# Altium PCB 6502_CPU_MainBoard_PCB_V1_2.PcbDoc (part 5 of 5)
Units mil, origin at the board's own origin, x right, y up, seen from the top; angles counter-clockwise.
Board outline 9000 x 6000 mil, 4 copper layers (Top Layer, Plane(GND), Plane(Power), Bottom Layer), stack 23.756 mil thick; 386 components, 378 nets, 1499 pads, 666 vias.
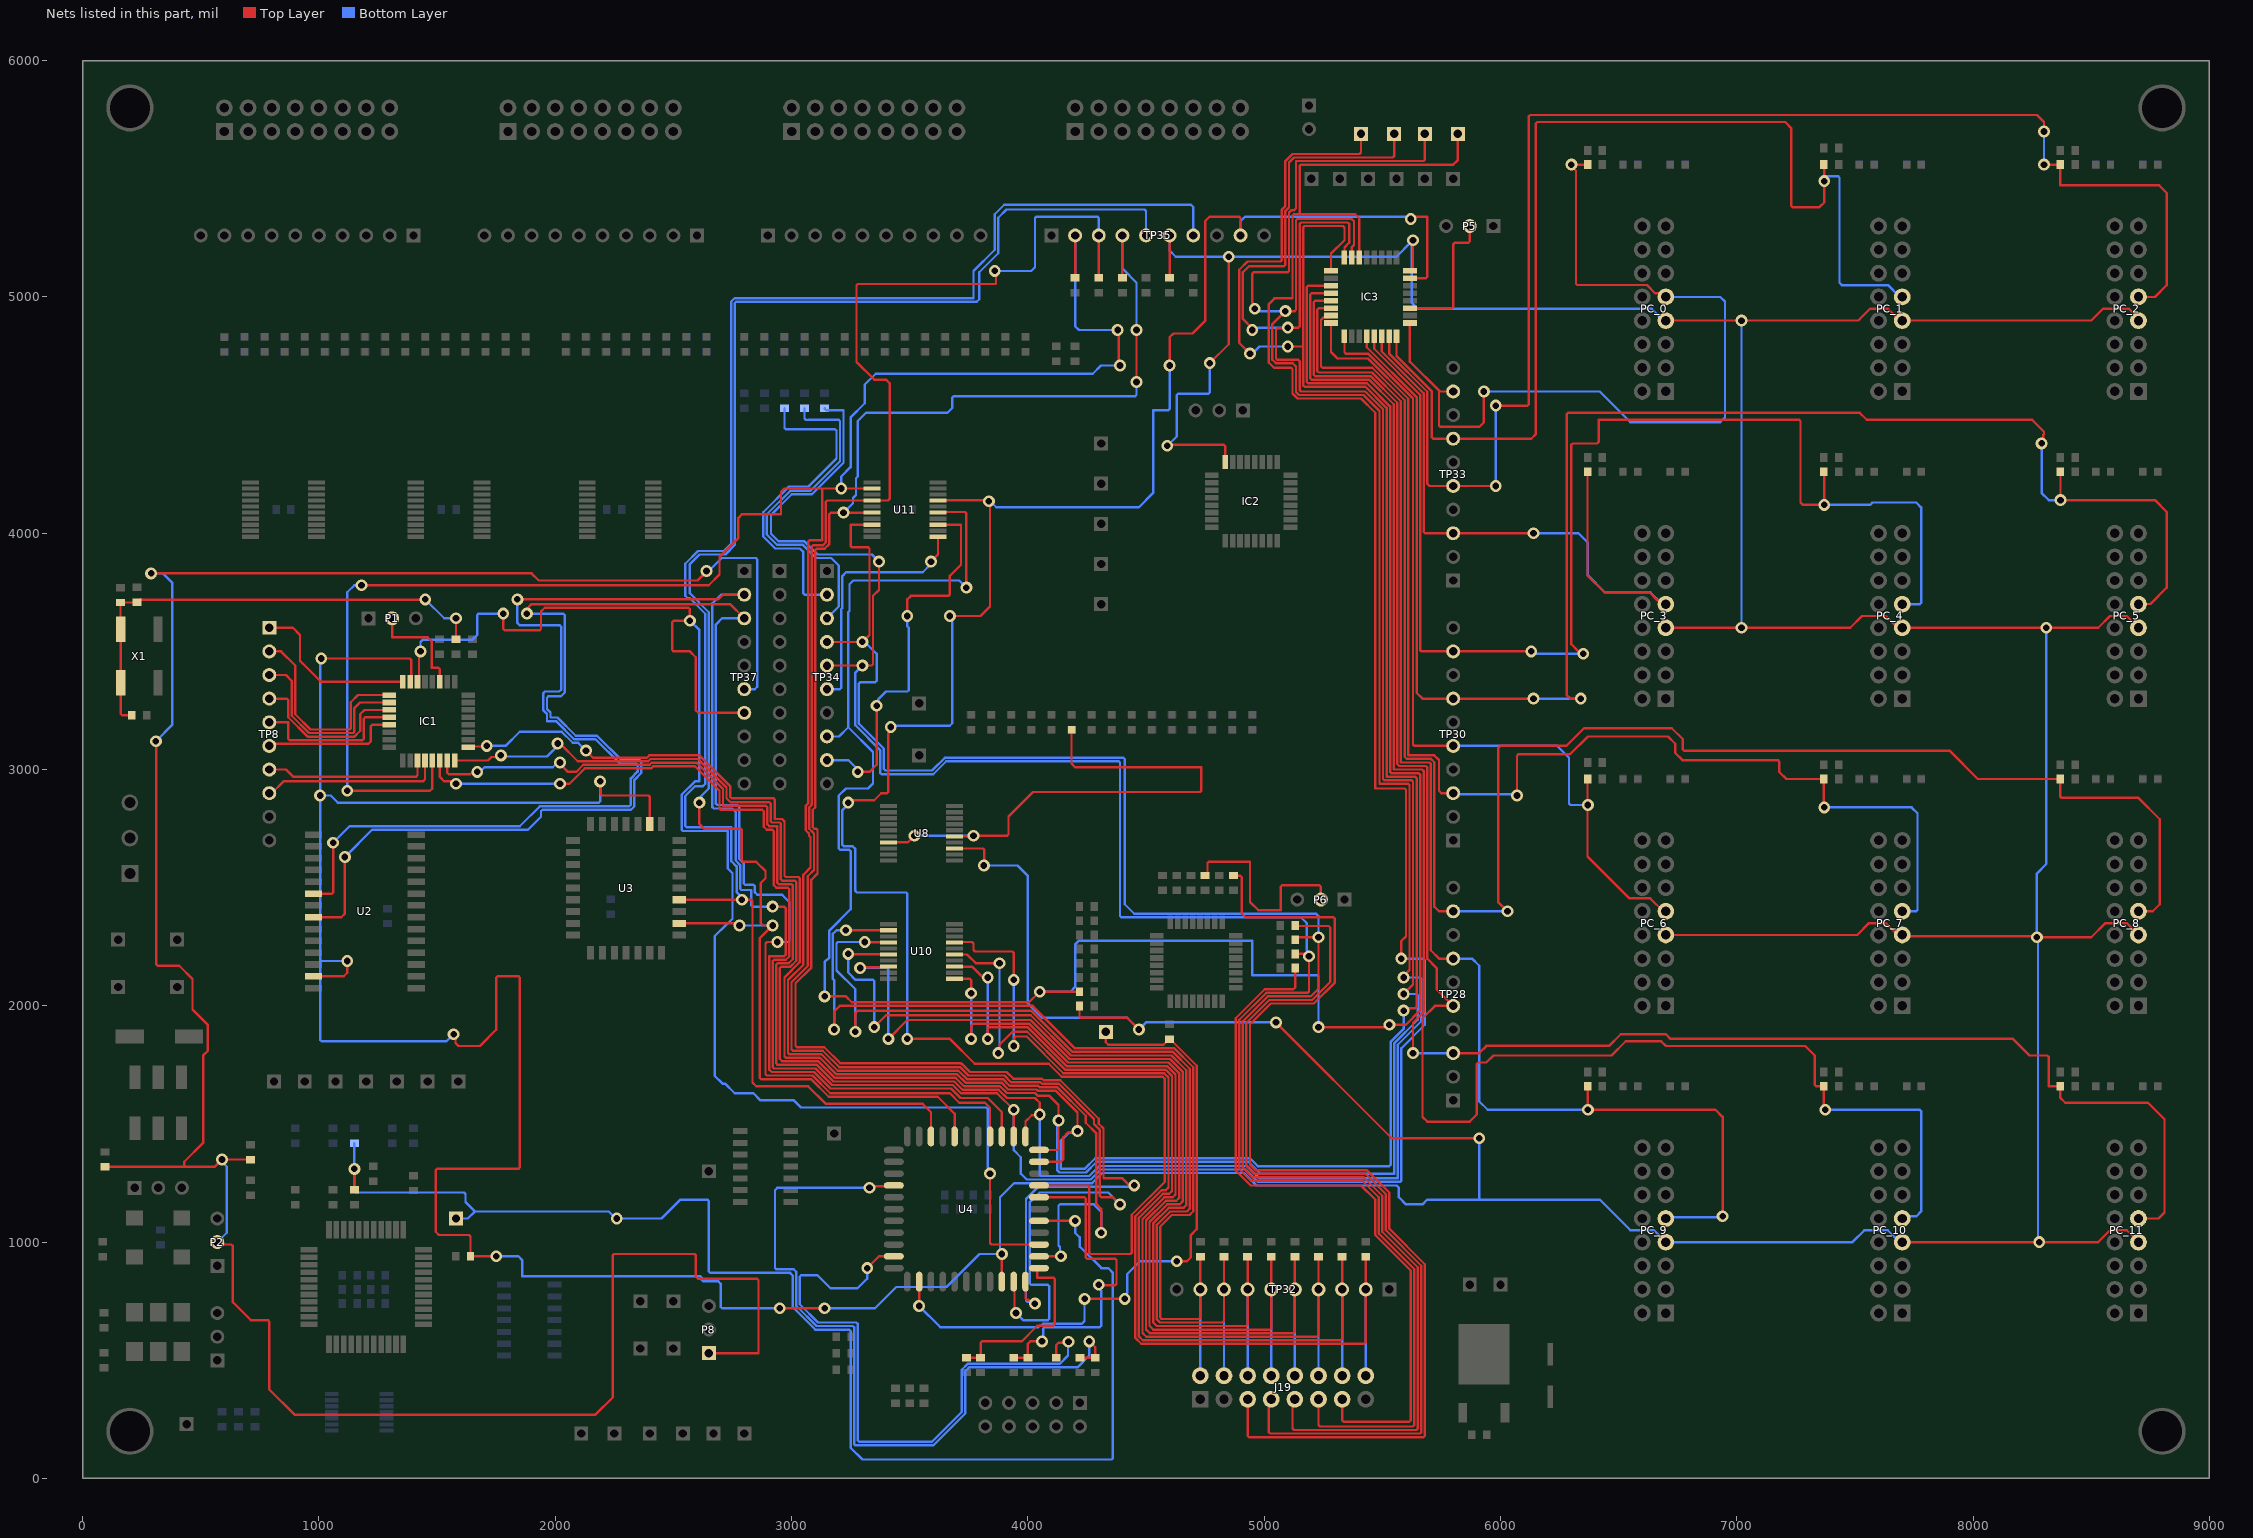
[diagram p7: the nets of this part, all layers, seen from the top]

## Via types
v1: diameter 50, hole 28, Top Layer to Bottom Layer, 666 vias

## Nets (pads, with @x,y where several pads share a name; then routed paths per layer and width w, separated by ;. In a path a pad name is that pad's centre, name@x,y a point inside that pad or via, vN(x,y) a via of type N, cw(c..) or ccw(c..) an arc to the next point about the centre after c; other vN are vias at no path point) (continued)
PageRegister_CS: IC1.30 TP37.7 U4.9 | length 6560.4
  Top Layer w10: IC1.30@1417.24,3371.85 1423.62,3378.23 1423.62,3493.62 v1(1430,3500) ; v1(1780,3660) 1780,3595.86 1785.86,3590 1934.14,3590 1940,3595.86 1940,3669.14 1955.86,3685 2564.14,3685 2570,3679.14 v1(2570,3630) 2500.86,3630 2495,3624.14 2495,3505.86 2500.86,3500 2570,3500 2595,3475 2595,3250 2605,3240 TP37.7@2800,3240 ; v1@3850,1280 3850,1290 v1(3840,1290) 3840,995.86 3845.86,990 U4.9@4047.2,990
  Bottom Layer w10: v1(1430,3500) 1430,3540 1440,3550 1650,3550 1670,3570 1670,3654.14 1675.86,3660 v1(1780,3660) ; v1(2570,3630) 2610,3590 2610,2950 2591.21,2950 2535,2893.79 2535,2745.86 2540.86,2740 2730,2740 2730,2581.21 2750,2561.21 2750,2368.79 2703.79,2322.57 2702.22,2322.57 2675,2295.36 2675,1703.79 2707.75,1671.04 2718.96,1671.04 2760,1630 2838.79,1630 2868.79,1600 3010,1600 3040,1570 3824.14,1570 3830,1564.14 3830,1315.86 v1@3832.35,1313.51
PC0: IC3.25 PC_0.9 R134.1 TP33.9 | length 3689.3
  Top Layer w10: IC3.25@5616.85,4889.76 5616.85,4726.08 5741.46,4601.46 ; TP33.9@5800,4600 5740,4600 5740,4455.86 5745.86,4450 5910,4450 5930,4470 v1(5930,4600) ; R134.1@6368.5,5560 v1(6300,5560) 6300,5553.9 6319.75,5534.14 6319.75,5056.1 6325.61,5050.25 6619.75,5050.25 6654.34,5015.66 6667.87,5015.66 6683.53,5000 PC_0.9@6700,5000
  Bottom Layer w10: v1(5930,4600) 6420,4600 6550,4470 6930,4470 6950,4490 6950,4980 6930,5000 PC_0.9@6700,5000
PC1: IC3.24 PC_1.9 R133.1 TP33.7 | length 4805.4
  Top Layer w10: IC3.24@5560.24,4833.15 5560.24,4749.76 5710,4600 5710,4405.86 5715.86,4400 TP33.7@5800,4400 6130,4400 6150,4420 6150,5734.14 6155.86,5740 7205,5740 7230,5715 7230,5385.86 7235.86,5380 7350,5380 7370,5400 v1(7370,5490) 7370,5558.5 R133.1@7368.5,5560
  Bottom Layer w10: v1(7370,5490) 7375.86,5495.86 7375.86,5510 7429.14,5510 7435,5504.14 7435,5060 7445,5050 7640,5050 7690,5000 PC_1.9@7700,5000
PC2: IC3.23 PC_2.9 R132.1 TP33.5 | length 6211.2
  Top Layer w10: IC3.23@5528.74,4833.15 5528.74,4760.05 5690,4598.79 5690,4210 5700,4200 TP33.5@5800,4200 v1(5980,4200) ; v1(5980,4540) 6114.14,4540 6120,4545.86 6120,5764.14 6125.86,5770 8270,5770 8300,5740 v1(8300,5700) ; v1(8300,5560) R132.1@8368.5,5560 8368.5,5472.71 8787.29,5472.71 8820,5440 8820,5050 8770,5000 PC_2.9@8700,5000
  Bottom Layer w10: v1(5980,4200) v1(5980,4540) ; v1(8300,5560) v1(8300,5700)
PC3: IC3.22 PC_3.9 R131.1 TP33.3 | length 2954.2
  Top Layer w10: IC3.22@5497.24,4833.15 5497.24,4770.33 5675,4592.57 5675,4005.86 5680.86,4000 v1(6140,4000) ; R131.1@6368.5,4260 6368.5,3821.5 6440,3750 6630,3750 6664.34,3715.66 6667.87,3715.66 6683.53,3700 PC_3.9@6700,3700
  Bottom Layer w10: v1(6140,4000) 6330,4000 6370,3960 6370,3821.21 6441.21,3750 6633.53,3750 6683.53,3700 PC_3.9@6700,3700
PC4: IC3.21 PC_4.9 R130.1 TP30.9 | length 5586.4
  Top Layer w10: IC3.21@5465.75,4833.15 5465.75,4780.61 5660,4586.36 5660,3505.86 5665.86,3500 TP30.9@5800,3500 v1(6130,3500) ; v1(6350,3490) 6350,3494.14 6344.14,3500 6330,3500 6300,3530 6300,4374.14 6305.86,4380 6409.42,4380 6415.28,4385.86 6415.28,4480 7264.14,4480 7270,4474.14 7270,4130 7280,4120 v1(7370,4120) 7370,4258.5 R130.1@7368.5,4260
  Bottom Layer w10: v1(6130,3500) 6140,3490 v1(6350,3490) ; v1(7370,4120) 7565.06,4120 7575.06,4130 7759.29,4130 7780,4109.29 7780,3705.86 7774.14,3700 PC_4.9@7700,3700
PC5: IC3.20 PC_5.9 R129.1 TP30.7 | length 7028.3
  Top Layer w10: IC3.20@5434.25,4833.15 5434.25,4786.96 5645,4576.21 5645,3325 5670,3300 TP30.7@5800,3300 v1(6140,3300) ; v1(6340,3300) 6295.86,3300 6280,3315.86 6280,4504.14 6285.86,4510 7520,4510 7550,4480 8250,4480 8300.25,4429.75 8300.25,4419.75 8297.65,4417.15 8297.65,4387.65 v1(8290,4380) ; R129.1@8368.5,4260 8370,4258.5 v1(8370,4140) 8770,4140 8820,4090 8820,3770 8750.43,3700.43 8700.43,3700.43 PC_5.9@8700,3700
  Bottom Layer w10: v1(6140,3300) v1(6340,3300) ; v1(8290,4380) 8290,4170 8320,4140 v1(8370,4140)
PC6: IC3.17 PC_6.9 R128.1 TP30.5 | length 3618.4
  Top Layer w10: IC3.17@5339.76,4833.15 5339.76,4765.86 5345.62,4760 5440,4760 5630,4570 5630,3105.86 5635.86,3100 TP30.5@5800,3100 ; R128.1@6368.5,2960 6368.5,2631.5 6545.43,2454.57 6634.22,2454.57 6688.79,2400 PC_6.9@6700,2400
  Bottom Layer w10: TP30.5@5800,3100 6240,3100 6290,3050 6290,2855.86 6295.86,2850 v1(6370,2850)
PC7: IC3.16 PC_7.9 R127.1 TP30.3 | length 5273.6
  Top Layer w10: IC3.16@5283.15,4889.76 5283.15,4766.85 5310.61,4739.39 5439.39,4739.39 5610,4568.79 5610,3060 5720,3060 5740,3040 5740,2910 5750,2900 TP30.3@5800,2900 ; v1(6070,2890) 6070,3058.54 6075.86,3064.39 6294.39,3064.39 6370,3140 6708.79,3140 6740,3108.79 6740,3070 6770,3040 7174.14,3040 7180,3034.14 7180,2990 7210,2960 R127.1@7368.5,2960 7368.5,2841.5 v1(7370,2840)
  Bottom Layer w10: TP30.3@5800,2900 5805,2895 6065,2895 v1(6070,2890) ; v1(7370,2840) 7740,2840 7765,2815 7765,2405.86 7759.14,2400 PC_7.9@7700,2400
PC8: IC3.15 PC_8.9 R299.1 TP28.9 | length 7465.9
  Top Layer w10: IC3.15@5283.15,4921.26 5276.34,4914.45 5252.85,4914.45 5240.86,4902.46 5240.86,4705.86 5246.72,4700 5457.57,4700 5595,4562.57 5595,3053.79 5603.79,3045 5706.21,3045 5720,3031.21 5720,2420 5740,2400 TP28.9@5800,2400 ; v1(6030,2400) 5990,2440 5990,3090 6000,3100 6278.79,3100 6353.79,3175 6725,3175 6771.21,3128.79 6771.21,3085.25 6777.07,3079.39 6930.61,3079.39 6931.21,3080 7900,3080 8020,2960 R299.1@8368.5,2960 8368.5,2885.86 8374.36,2880 8700,2880 8790,2790 8790,2430 8760,2400 PC_8.9@8700,2400
  Bottom Layer w10: TP28.9@5800,2400 v1(6030,2400)
PC9: IC3.14 PC_9.9 R298.1 TP28.7 | length 5802.4
  Top Layer w10: IC3.14@5283.15,4952.76 5230.86,4952.76 5225,4946.9 5225,4685.86 5230.86,4680 5456.36,4680 5578.18,4558.18 5578.18,3030 5699.14,3030 5705,3024.14 5705,2235 5740,2200 TP28.7@5800,2200 ; R298.1@6368.5,1660 6370,1658.5 v1(6370,1560) 6910,1560 6940,1530 v1(6940,1110)
  Bottom Layer w10: TP28.7@5800,2200 5880,2200 5910,2170 5910,1595.86 5945.86,1560 v1(6370,1560) ; PC_9.9@6700,1100 6705,1105 6935,1105 v1(6940,1110)
PC10: IC3.13 PC_10.9 R297.1 TP28.5 | length 7222.1
  Top Layer w10: IC3.13@5283.15,4984.25 5215.86,4984.25 5210,4978.39 5210,4670.86 5215.86,4665 5450,4665 5563.18,4551.82 5563.18,3023.79 5571.97,3015 5684.14,3015 5690,3009.14 5690,2200 5730,2160 5730,2070 TP28.5@5800,2000 5722.43,2000 5670,1947.57 5670,1530 5690,1510 5870,1510 5900,1540 5900,1754.14 5905.86,1760 5940,1760 5970,1790 6470,1790 6530,1850 6680,1850 6700,1830 7290,1830 7330,1790 7330,1665.86 7335.86,1660 R297.1@7368.5,1660 7368.5,1565.86 v1(7374.36,1560)
  Bottom Layer w10: v1(7374.36,1560) 7774.14,1560 7780,1554.14 7780,1130 7760,1110 7710,1110 PC_10.9@7700,1100
PC11: IC3.12 PC_11.9 R295.1 TP28.3 | length 7709.3
  Top Layer w10: IC3.12@5283.15,5015.75 5200.86,5015.75 5195,5009.89 5195,4655.86 5200.86,4650 5443.79,4650 5548.18,4545.61 5548.18,3000 5669.14,3000 5675,2994.14 5675,1973.79 5630,1928.79 v1(5630,1800) ; TP28.3@5800,1800 5910,1800 5940.61,1830.61 6459.39,1830.61 6508.79,1880 6700,1880 6720,1860 8168.79,1860 8238.79,1790 8314.14,1790 8320,1784.14 8320,1660 R295.1@8368.5,1660 8368.5,1611.5 8390,1590 8740,1590 8810,1520 8810,1125.86 8784.14,1100 PC_11.9@8700,1100
  Bottom Layer w10: v1(5630,1800) TP28.3@5800,1800
PCZ80: IC3.11 R266.1 TP34.8 U11.15 | length 9933.9
  Top Layer w10: v1(3140,2040) 3230,2040 3255,2015 4005,2015 v1(4050,2060) R266.1@4218.5,2060 ; U11.15@3619.76,4087.2 3622.56,4090 3734.14,4090 3740,4084.14 v1(3740,3770) ; v1(5230,1910) 5509.18,1910 5519.18,1920 5600,1920 5660,1980 5660,2979.14 5654.14,2985 5538.18,2985 5533.18,2990 5533.18,4536.82 5435,4635 5185.86,4635 5180,4640.86 5180,5041.39 5185.86,5047.24 IC3.11@5283.15,5047.24
  Bottom Layer w10: v1(3140,2040) 3140,2185 3160,2205 3160,2318.79 3250,2408.79 3250,2654.14 3244.14,2660 3205.86,2660 3200,2665.86 3200,2890 3230,2920 3324.14,2920 3345,2940.86 3345,3073.79 3240,3178.79 ; TP34.8@3150,3140 3201.21,3140 3240,3178.79 ; v1(3740,3770) 3710,3800 3260.86,3800 3245,3784.14 3245,3671.36 3240,3666.36 3240,3178.79 ; v1(4050,2060) 4180,2060 4200,2080 4200,2260 4215,2275 4950,2275 4950,2130 5224.14,2130 5230,2124.14 v1(5230,1910)
  other v1: 5530,1920
PCZ80_Extra: R270.1 TP57.1 U4.41 | length 2824.9
  Top Layer w10: v1@3540,740 U4.41@3540,832.8 ; v1(4240,760) v1(4410,760) ; TP57.1@4330,1890 4330,1845.86 4340.86,1835 4573.5,1835 R270.1@4586.26,1847.76 ; R270.1@4586.3,1847.76 R270.1@4598.5,1859.96 ; R270.1@4598.5,1860 R270.1@4600,1858.5 4602.95,1858.5 4715,1746.46 4715,1055 4690,1030 4690,935.86 4673.28,919.14 v1(4630,919.14)
  Bottom Layer w10: v1(3540,730) 3630,640 4044.14,640 4050,645.86 4055.5,645.86 4064.64,655 4229.14,655 4240,665.86 v1(4240,760) ; v1(4410,760) 4417.65,767.65 4417.65,783.51 4420,785.86 4420,864.04 4475.1,919.14 v1(4630,919.14)
PCZ80CLK: TP34.9 U11.13 | length 1661.2
  Top Layer w10: v1(3280,2990) 3330,2990 3360,3020 v1(3360,3270) ; v1(3490,3650) 3490,3720 3505,3735 3664.14,3735 3670,3740.86 3670,3820 3716.87,3866.87 3716.87,4036.02 U11.13@3619.76,4036.02
  Bottom Layer w10: TP34.9@3150,3040 3240,3040 3280,3000 v1(3280,2990) ; v1(3360,3270) 3367.65,3277.65 3367.65,3298.48 3399.18,3330 3490,3330 3495.86,3335.86 3495.86,3600 3490,3605.86 v1(3490,3650)
PG_PA2: IC1.32 TP8.1 | length 723.2
  Top Layer w10: TP8.1@790,3600 890,3600 920,3570 920,3460 930,3450 1008.15,3371.85 IC1.32@1354.25,3371.85
PG_PA3: IC1.1 TP8.2 | length 890.2
  Top Layer w10: TP8.2@790,3500 840,3500 900,3440 900,3233.64 964.25,3169.39 1129.14,3169.39 1135,3175.24 1135,3285 1165.24,3315.24 IC1.1@1297.64,3315.24
PG_PA4: IC1.2 TP8.3 | length 807.8
  Top Layer w10: TP8.3@790,3400 860,3400 885,3375 885,3227.43 958.04,3154.39 1144.14,3154.39 1150,3160.24 1150,3260 1173.74,3283.74 IC1.2@1297.64,3283.74
PG_PA5: IC1.3 TP8.4 | length 705.2
  Top Layer w10: TP8.4@790,3300 864.14,3300 870,3294.14 870,3221.21 951.83,3139.39 1150.36,3139.39 1175,3164.03 1175,3235 1192.24,3252.24 IC1.3@1297.64,3252.24
PG_PA6: IC1.4 TP8.5 | length 669.3
  Top Layer w10: TP8.5@790,3200 870,3200 870,3130.24 875.86,3124.39 1184.14,3124.39 1190,3130.24 1190,3214.89 1195.86,3220.75 IC1.4@1297.64,3220.75
PG_PA7: IC1.5 TP8.6 | length 581.7
  Top Layer w10: TP8.6@790,3100 799.39,3109.39 1209.39,3109.39 1220,3120 1220,3183.39 1225.86,3189.25 IC1.5@1297.64,3189.25
PG_PD1: IC1.11 TP8.7 | length 704.4
  Top Layer w10: TP8.7@790,3000 860,3000 890,2970 1411.39,2970 1417.24,2975.86 IC1.11@1417.24,3038.15
PG_PD2: IC1.12 TP8.8 | length 762.5
  Top Layer w10: TP8.8@790,2900 800,2900 850,2950 1440,2950 1448.74,2958.74 IC1.12@1448.74,3038.15
PG_UPDI: IC1.27 P1.2 | length 455.9
  Top Layer w10: P1.2@1310,3640 1310,3560 1460,3560 1477.94,3542.06 1477.94,3430 1505.87,3430 1511.73,3424.14 IC1.27@1511.73,3371.85
PGM_Mode: IC1.13 R165.1 TP35.2 U4.8 U11.2 | length 11356.4
  Top Layer w10: v1(1120,2910) 1470,2910 1480.24,2920.24 IC1.13@1480.24,3038.15 ; v1(1180,3780) 2650,3780 2695,3825 2695,3900 2775,3980 2775,4065 2790,4080 2955.34,4080 2955.34,4174.47 2970.43,4189.57 3130,4189.57 ; U11.2@3340.24,4189.57 v1(3210,4189.57) 3130,4189.57 ; U4.8@4047.2,940 v1(4140,940) ; R165.1@4200,5081.5 TP35.2@4200,5260 ; v1(4310,1040) 4310,1140.82 4290,1160.82 4290,1460 4245,1505 4245,1535 4125,1655 4050.36,1655 4044.14,1661.21 3923.64,1661.21 3894.85,1690 3742.43,1690 3706.82,1725.61 3195.61,1725.61 3126.21,1795 2990.86,1795 2985,1800.86 2985,2108.79 3050,2173.79 3050,2555 3080,2585 3080,2714.14 3074.14,2720 3074.14,2729.29 3060,2743.43 3060,2846.21 3070,2856.21 3070,3964.14 3075.86,3970 3130,3970 3130,4189.57 ; v1(4380,4860) 4385,4855 4385,4715 v1(4390,4710)
  Bottom Layer w10: v1(1120,2910) 1120,3750 1150,3780 v1(1180,3780) ; v1(3210,4189.57) 3210,4240 3250,4280 3250,4490 3310,4550 3310,4628.79 3356.21,4675 4275,4675 4310,4710 v1(4390,4710) ; v1(4140,940) 4135.86,944.14 4135.86,980 4130,985.86 4130,1154.14 4135.86,1160 4280,1160 4310,1130 v1(4310,1040) ; TP35.2@4200,5260 4200,4875.86 4215.86,4860 v1(4380,4860)
POW_Reset: C1.2 R56.2 R59.2 R189.1 X1.1 X1.2 | length 2068.4
  Top Layer w10: C1.2@208.5,3230 167.12,3230 161.26,3235.86 X1.1@161.26,3366.81 X1.2@161.26,3593.19 160,3594.45 R56.2@160,3707.01 228.5,3707.01 240.75,3719.25 1449.25,3719.25 v1(1450,3720) ; R59.2@1580,3551.5 v1(1580,3640)
  Bottom Layer w10: v1(1450,3720) 1530,3640 v1(1580,3640)
PRGM_RAM_ROM: R169.1 TP35.3 U4.5 U11.4 | length 8364.4
  Top Layer w10: v1(3860,5110) 3865,5105 3865,5055 3280.86,5055 3275,5049.14 3275,4725 3350,4650 3400,4650 3415,4635 3415,4145 3408.39,4138.39 U11.4@3340.24,4138.39 3150.86,4138.39 3145,4132.53 3145,3960.86 3133.54,3949.39 3090.86,3949.39 3085,3943.54 3085,2850 3075,2840 3075,2749.64 3089.14,2735.5 3089.14,2735 3095,2729.14 3095,2575 3068.79,2548.79 3068.79,2168.79 3000,2100 3000,1815.86 3005.86,1810 3132.43,1810 3201.82,1740.61 3713.03,1740.61 3748.64,1705 3901.07,1705 3929.85,1676.21 4053.79,1676.21 4060,1670 4131.21,1670 4280,1521.21 4280,1500 4305,1475 4305,1195.86 4310.86,1190 4360,1190 v1(4390,1160) ; U4.5@3940,832.8 3943.36,829.44 3943.36,706.64 v1(3950,700) ; R169.1@4300,5081.5 TP35.3@4300,5260
  Bottom Layer w10: v1(3860,5110) 4014.14,5110 4030,5125.86 4030,5334.14 4035.86,5340 4294.14,5340 4300,5334.14 TP35.3@4300,5260 ; v1(3950,700) 3980,670 4084.14,670 4090,675.86 4090,814.14 4084.14,820 4013.2,820 4007.35,825.86 4007.35,1167.35 4050,1210 4340,1210 v1(4390,1160)
PRGM_RAM_ROM_CS: R173.1 TP35.4 U4.6 U11.6 | length 7970.8
  Top Layer w10: U11.6@3340.24,4087.2 v1(3220,4087.2) 3167.2,4087.2 3160,4080 3160,3954.39 3140,3934.39 3105.86,3934.39 3100,3928.54 3100,2840 3090,2830 3090,2755.86 3095.86,2750 3104.14,2750 3110,2744.14 3110,2560 3083.79,2533.79 3083.79,2162.57 3016.82,2095.61 3016.82,1830.86 3022.68,1825 3138.64,1825 3206.82,1756.82 3716.82,1756.82 3718.03,1755.61 3719.25,1755.61 3754.85,1720 3910,1720 3938.79,1691.21 4060,1691.21 4066.21,1685 4137.43,1685 4300,1522.43 4300,1501.21 4320,1481.21 4320,1270 4400,1270 4430,1240 v1(4450,1240) ; U4.6@3990,832.8 3990,763.64 3997.07,756.57 4002.61,756.57 4019.18,740 v1(4030,740) ; R173.1@4400,5081.5 TP35.4@4400,5260 ; v1(4460,4640) 4460,4850 v1@4470,4860
  Bottom Layer w10: v1(3220,4087.2) 3260,4127.2 3260,4148.79 3272.5,4161.29 3272.5,4232.5 3280,4240 3280,4475 3315,4510 3660,4510 3680,4530 3680,4574.14 3685.86,4580 4454.14,4580 4460,4585.86 v1(4460,4640) ; v1(4030,740) 4022.35,747.65 3998.2,747.65 3992.35,753.51 3992.35,1182.35 4045,1235 4445,1235 v1(4450,1240) v1@4450,1235 ; TP35.4@4400,5260 4400,5120 4460,5060 v1(4460,4860)
PSC_Cntrl_CS: IC3.31 TP35.9 U4.14 U11.17 | length 9423.8
  Top Layer w10: v1(3240,2860) 3247.65,2867.65 3263.51,2867.65 3265.86,2870 3350,2870 3380,2900 3404.14,2900 3410,2905.86 3410,3154.14 3412.35,3156.49 3412.35,3172.35 v1(3420,3180) ; v1(3490,1860) 3670,1860 3775,1755 4088.79,1755 4143.79,1700 4570.54,1700 4580,1690.54 4580,1255.86 4440,1115.86 4440,955.86 4434.14,950 4265.86,950 4260,955.86 4260,1234.14 4254.14,1240 U4.14@4047.2,1240 ; U11.17@3619.76,4138.39 3621.38,4140 3830,4140 v1(3835,4135) 3840,4130 3840,3690 3800,3650 v1(3670,3650) ; v1(4600,4710) 4600,4829.14 4616.21,4845.34 4696.55,4845.34 4750,4898.79 4750,5320 4770,5340 4894.14,5340 4900,5334.14 TP35.9@4900,5260 ; IC3.31@5616.85,5078.74 5684.14,5078.74 5690,5084.6 5690,5340 v1@5620,5340
  Bottom Layer w10: v1(3240,2860) 3240,2853.43 3215,2828.43 3215,2680.86 3220.86,2675 3259.14,2675 3270,2664.14 3270,2485.76 3275.86,2479.9 3484.14,2479.9 3490,2474.05 v1(3490,1860) ; v1(3420,3180) 3425,3185 3669.14,3185 3680,3195.86 3680,3624.14 3677.65,3626.49 3677.65,3642.35 v1(3670,3650) ; v1(3835,4135) 3841.57,4135 3866.57,4110 4470,4110 4530,4170 4530,4520 4594.14,4520 4600,4525.86 v1(4600,4710) ; TP35.9@4900,5260 4900,5320 4920,5340 v1@5620,5340
  other v1: 5620,5330
PSC_D0: IC1.14 IC3.6 TP15.1 U4.19 | length 12268
  Top Layer w10: IC1.14@1511.73,3038.15 1511.73,2968.27 1530,2950 1570,2950 v1(1580,2940) ; v1(2020,2940) 2060,2940 2125,3005 2406.29,3005 2415.68,3014.39 2590.61,3014.39 2695,2910 2695,2835.86 2700.86,2830 2876.39,2830 2882.25,2824.14 2882.25,2757.75 2895,2745 2919.14,2745 2925,2739.14 2925,2510.86 2935.86,2500 2984.14,2500 2990,2494.14 2990,2209.5 2975.5,2195 2925.86,2195 2920,2189.14 2920,1740.86 2925.86,1735 3101.36,1735 3171.36,1665 3682.57,1665 3717.57,1630 3870,1630 v1(3940,1560) U4.19@3940,1447.2 ; IC3.6@5402.76,5166.85 5402.76,5332.76 5385.51,5350 5150,5350 ; v1(5580,2200) 5580,2273.79 5600,2293.79 5600,2914.14 5594.14,2920 5470,2920 5470,4510 5410,4570 5141.21,4570 5120,4591.21 5120,4694.14 5114.14,4700 5041.72,4700 5020,4721.72 5020,4970.36 5043.43,4993.79 5120,4993.79 5120,5344.14 5125.86,5350 5150,5350 ; TP15.1@5820,5690 5820,5580 5800,5560 5155.86,5560 5150,5554.14 5150,5350
  Bottom Layer w10: v1(1580,2940) v1(2020,2940) ; v1(3940,1560) 3940,1389.5 3970,1359.5 3970,1290 3995,1265 4266.36,1265 4308.79,1307.43 4921.36,1307.43 4973.79,1255 5575,1255 5580,1260 5580,1820 5680,1920 5680,2194.14 5674.14,2200 v1(5580,2200)
PSC_D1: IC1.15 IC3.7 TP26.1 U4.18 | length 12757.8
  Top Layer w10: IC1.15@1543.23,3038.15 1543.23,2985.86 1549.09,2980 1640,2980 1655.86,2995.86 1664.14,2995.86 v1(1670,2990) ; v1(2020,3030) 2020,3023.64 2053.64,2990 2088.79,2990 2118.79,3020 2400.08,3020 2409.47,3029.39 2598.18,3029.39 2710,2917.57 2710,2846.89 2891.39,2846.89 2897.25,2841.04 2897.25,2768.96 2906.21,2760 2938.79,2760 2940,2758.79 2940,2520.86 2945.86,2515 3000,2515 3005,2510 3005,2197.43 2987.57,2180 2940.86,2180 2935,2174.14 2935,1755.86 2940.86,1750 3107.57,1750 3177.57,1680 3688.79,1680 3723.79,1645 3876.21,1645 3911.21,1610 4030,1610 4050,1590 v1(4050,1540) 4046.72,1536.72 4016.72,1536.72 3990,1510 U4.18@3990,1447.2 ; v1(4960,4950) 4952.35,4957.65 4952.35,4973.51 4950,4975.86 4950,5099.14 4955.86,5105 5100,5105 5105,5110 5105,5357.25 5115.25,5367.5 5127.5,5367.5 5135,5375 5135,5575 5674.14,5575 5680,5580.86 TP26.1@5680,5690 ; IC3.7@5371.26,5166.85 5371.26,5210.89 5380,5219.63 5380,5320 5370,5330 5140.86,5330 5135,5324.14 5135,4945.86 5129.14,4940 v1(5090,4940) 5035,4885 5035,4733.79 5049.64,4719.14 5120.86,4719.14 5135,4705 5135,4597.43 5147.43,4585 5420,4585 5488.18,4516.82 5488.18,2940 5609.14,2940 5615,2934.14 5615,2151.57 5590,2126.57 v1(5590,2120)
  Bottom Layer w10: v1(1670,2990) 1680.82,2990 1700.82,3010 1989.18,3010 2009.18,3030 v1(2020,3030) ; v1(4050,1540) 4050,1285.86 4055.86,1280 4260.15,1280 4302.57,1322.43 4927.57,1322.43 4980,1270 5565,1270 5565,1835 5665,1935 5665,2114.14 5659.14,2120 v1(5590,2120) ; v1(4960,4950) 4970,4940 v1(5090,4940)
PSC_D2: IC1.16 IC3.8 TP55.1 U4.17 | length 12662.1
  Top Layer w10: IC1.16@1574.72,3038.15 1715,3038.15 1730,3053.15 1763.15,3053.15 v1(1770,3060) ; v1(2010,3110) 2020,3110 2095,3035 2393.86,3035 2403.26,3044.39 2604.39,3044.39 2725,2923.79 2725,2878.79 2741.89,2861.89 2906.39,2861.89 2912.25,2856.04 2912.25,2781.29 2917.93,2775.61 2950,2775.61 2955,2770.61 2955,2535.86 2960.86,2530 3014.14,2530 3020,2524.14 3020,2191.21 2993.79,2165 2955.86,2165 2950,2159.14 2950,1775.86 2960.86,1765 3113.79,1765 3183.79,1695 3695,1695 3730,1660 3882.43,1660 3911.21,1631.21 4030,1631.21 4041.21,1620 4090,1620 4130,1580 v1(4130,1515) 4130,1395.86 4124.14,1390 U4.17@4047.2,1390 ; v1(4950,4860) 4950,4866.57 4910,4906.57 4910,5104.14 4935.86,5130 5084.14,5130 5090,5135.86 5090,5363.46 5105,5378.46 5105,5569.14 5125.86,5590 5544.14,5590 5550,5595.86 TP55.1@5550,5690 ; IC3.8@5339.76,5166.85 5339.76,5209.76 5360,5230 5360,5309.14 5354.14,5315 5155.86,5315 5150,5309.14 5150,4875.86 5144.14,4870 v1(5100,4870) 5097.57,4867.57 5055.86,4867.57 5050,4861.72 5050,4740 5055.86,4734.14 5144.14,4734.14 5150,4728.28 5150,4605.86 5155.86,4600 5427.57,4600 5503.18,4524.39 5503.18,2960 5508.18,2955 5624.14,2955 5630,2949.14 5630,2090 v1(5590,2050)
  Bottom Layer w10: v1(1770,3060) 1775,3055 1965,3055 2010,3100 v1(2010,3110) ; v1(4130,1515) 4125,1510 4125,1303.79 4133.79,1295 4246.21,1295 4291.21,1340 4933.79,1340 4983.79,1290 5550,1290 5550,1841.21 5650,1941.21 5650,2044.14 5644.14,2050 v1(5590,2050) ; v1(4950,4860) 4957.65,4867.65 4973.51,4867.65 4975.86,4870 v1(5100,4870)
PSC_D3: IC1.17 IC3.9 TP56.1 U4.16 | length 12506.3
  Top Layer w10: IC1.17@1631.34,3094.76 1633.96,3097.38 1707.38,3097.38 v1(1710,3100) ; v1(2130,3080) 2160,3050 2387.65,3050 2397.65,3060 2610,3060 2740,2930 2740,2885 2745.86,2879.14 2923.28,2879.14 2929.14,2873.28 2929.14,2791.59 2930.13,2790.61 2959.39,2790.61 2970,2780 2970,2550.86 2975.86,2545 3029.14,2545 3032.07,2542.07 3035,2539.14 3035,2185 2970,2120 2970,1785.86 2975.86,1780 3120,1780 3190,1710 3701.21,1710 3736.21,1675 3888.64,1675 3917.43,1646.21 4036.21,1646.21 4042.43,1640 4118.79,1640 4210,1548.79 v1(4210,1470) 4204.14,1464.14 4170,1464.14 4150,1444.14 4150,1350 4140,1340 U4.16@4047.2,1340 ; v1(4940,4760) 4895,4805 4895,5115 4930,5150 5069.14,5150 5075,5155.86 5075,5369.68 5090,5384.68 5090,5575.36 5119.64,5605 5404.14,5605 5410,5610.86 TP56.1@5410,5690 ; v1(5100,4790) 5165,4790 ; IC3.9@5283.15,5110.24 5283.15,5183.15 5340,5240 5340,5294.14 5334.14,5300 5170.86,5300 5165,5294.14 5165,4790 ; v1(5590,1980) 5590,1990 5639.14,1990 5645,1995.86 5645,2964.14 5639.14,2970 5518.18,2970 5518.18,4530.61 5428.79,4620 5170.86,4620 5165,4625.86 5165,4790
  Bottom Layer w10: v1(1710,3100) 1790,3100 1850,3160 2026.97,3160 2073.79,3113.18 2096.82,3113.18 v1(2130,3080) ; v1(4210,1470) 4202.35,1462.35 4172.35,1462.35 4140,1430 4140,1310 4240,1310 4285,1355 4940,1355 4973.11,1321.89 5529.14,1321.89 5535,1327.75 5535,1847.43 5590,1902.43 v1(5590,1980) ; v1(4940,4760) 4950.82,4760 4980.82,4790 v1(5100,4790)
PSC_UPDI: IC3.27 P5.2 | length 590.1
  Top Layer w10: IC3.27@5616.85,4952.76 5795,4952.76 5800.86,4958.61 5800.86,5224.14 5806.72,5230 5864.14,5230 5870,5235.86 P5.2@5870,5300
RAM_CE#: TP37.2 U2.20 U4.20 | length 7624.8
  Top Layer w10: U2.20@976.67,2475 1055,2475 1060.86,2480.86 1060.86,2489.14 1060,2490 v1(1060,2690) ; v1(1840,3720) 2690,3720 2710,3740 TP37.2@2800,3740 ; v1(2920,2420) 2969.14,2420 2975,2414.14 2975,2215.86 2969.14,2210 2905,2210 2905,1730.86 2915.86,1720 3095.15,1720 3165.15,1650 3675,1650 3715,1610 3830,1610 3890,1550 U4.20@3890,1447.2
  Bottom Layer w10: v1(1060,2690) 1130,2760 1850,2760 1935,2845 2314.14,2845 2320,2850.86 2320,2962.59 2348.79,2991.38 2348.79,3019.14 2342.93,3025 2273.79,3025 2170.61,3128.18 2080,3128.18 2003.18,3205 1965,3205 1965,3235 1950,3250 1950,3324.14 1955.86,3330 2017.07,3330 2025,3337.93 2025,3604.14 2019.14,3610 1850,3610 1840,3620 v1(1840,3720) ; TP37.2@2800,3740 2701.21,3740 2665,3703.79 2665,2840.86 2670.86,2835 2749.14,2835 2763.71,2820.43 2763.71,2615.07 2782.5,2596.29 2782.5,2495.86 2788.36,2490 2830,2490 2830,2425.86 2835.86,2420 v1(2920,2420)
RAM_OE#: TP37.3 U2.22 U4.21 | length 7524.4
  Top Layer w10: U2.22@976.67,2375 1094.14,2375 1110,2390.86 v1(1110,2630) ; v1(1880,3660) 1880,3680 1900,3700 2740,3700 TP37.3@2800,3640 ; v1(2940,2270) 2895.86,2270 2890,2264.14 2890,1710.86 2895.86,1705 3088.93,1705 3163.93,1630 3670,1630 3710,1590 3818.79,1590 3840,1568.79 U4.21@3840,1447.2
  Bottom Layer w10: v1(1110,2630) 1225,2745 1885,2745 1940,2800 1940,2824.14 1945.86,2830 2320.36,2830 2335,2844.64 2335,2956.38 2363.79,2985.17 2363.79,3034.14 2357.93,3040 2280,3040 2176.82,3143.18 2086.82,3143.18 2010,3220 1980,3220 1980,3241.21 1965,3256.21 1965,3304.14 1970.86,3310 2024.14,3310 2040,3325.86 2040,3654.14 2034.14,3660 v1(1880,3660) ; TP37.3@2800,3640 2706.36,3640 2680,3613.64 2680,2855.86 2685.86,2850 2769.14,2850 2778.71,2840.43 2778.71,2621.29 2797.5,2602.5 2797.5,2518.36 2803.36,2512.5 2839.14,2512.5 2845,2506.64 2845,2480 2855,2470 2960,2470 2990,2440 2990,2275.86 2984.14,2270 v1(2940,2270)
RDY: R1.1 R22.1 TP25.1 U4.11 | length 5935.6
  Top Layer w10: R22.1@1150,1221.5 v1(1150,1310) ; U4.11@4047.2,1090 v1(4200,1090)
  Bottom Layer w10: R1.1@1150,1418.5 v1(1150,1310) 1150,1215.86 1155.86,1210 1614.14,1210 1620,1204.14 1620,1170 1660,1130 ; TP25.1@1580,1100 1630,1100 1660,1130 ; v1(4200,1090) 4200,1040 4220,1020 4220,981.21 4311.21,890 4340,890 4360,870 4360,85.86 4354.14,80 3300,80 3250,130 3250,624.14 3244.14,630 3100,630 3005,725 3005,859.14 2994.14,870 2655.86,870 2650,875.86 2650,1174.14 2644.14,1180 2530,1180 2450,1100 v1(2260,1100) 2256.36,1100 2226.36,1130 1660,1130
ROM_CE#: TP35.5 U3.22 U4.24 | length 7334.6
  Top Layer w10: U3.22@2525,2349 2774.14,2349 2780,2343.14 v1(2780,2340) ; v1(2610,2860) 2610,2770 2630,2750 2784.14,2750 2790,2744.14 2790,2615.86 2795.86,2610 2850,2610 2890,2570 2890,2540 2870,2520 2870,2350 2880,2340 v1(2920,2340) 2865,2285 2865,1695.86 2870.86,1690 3082.72,1690 3157.72,1615 3618.6,1615 3690,1543.6 U4.24@3690,1447.2
  Bottom Layer w10: v1(2610,2860) 2617.65,2867.65 2617.65,2887.65 2650,2920 2650,3665.86 2570,3745.86 2570,3870 2610,3910 2720,3910 2760,3950 2760,4974.14 2765.86,4980 3784.14,4980 3794.39,4990.25 3794.39,5104.39 3875,5185 3875,5335 3910,5370 4494.14,5370 4500,5364.14 TP35.5@4500,5260 ; v1(2780,2340) v1(2920,2340)
ROM_OE#: TP35.7 U3.24 U4.26 | length 7374.5
  Top Layer w10: U3.24@2525,2449 v1(2790,2449) 2829.14,2449 2835,2443.14 2835,1675.86 2850.86,1660 3070.29,1660 3145.29,1585 3555,1585 3590,1550 U4.26@3590,1447.2
  Bottom Layer w10: v1(2790,2449) 2790,2459.82 2767.5,2482.32 2767.5,2590.07 2745,2612.57 2745,2756.21 2555.86,2756.21 2550,2762.07 2550,2887.57 2592.43,2930 2625,2930 2635,2940 2635,3659.64 2569.64,3725 2560.86,3725 2550,3735.86 2550,3871.21 2603.79,3925 2712.78,3925 2745,3957.22 2745,4980.36 2759.64,4995 3770,4995 3770,5110 3860,5200 3860,5350 3900,5390 4690,5390 4700,5380 TP35.7@4700,5260
RWB: IC1.31 IC2.32 IC3.32 PC_0.7 PC_1.7 PC_2.7 PC_3.7 PC_4.7 PC_5.7 PC_6.7 PC_7.7 PC_8.7 PC_9.7 PC_10.7 PC_11.7 R20.1 R181.1 R268.1 TP35.6 U2.27 U3.31 U4.4 U8.13 | length 32881.4
  Top Layer w10: U2.27@976.67,2125 1105,2125 1120,2140 v1(1120,2190) ; v1(1010,3470) 1384.14,3470 1390,3464.14 1390,3376.1 IC1.31@1385.75,3371.85 ; v1(1570,1880) 1577.65,1872.35 1577.65,1842.35 1590,1830 1681.01,1830 1750.5,1899.5 1750.5,2120 1756.36,2125.86 1844.14,2125.86 1850,2120 1850,1315.86 1844.14,1310 1500,1310 1494.14,1304.14 1494.14,1044.14 1508.28,1030 1635.64,1030 1641.5,1024.14 R20.1@1641.5,940 ; R20.1@1643.58,940 v1(1750,940) ; v1(2190,2950) 2192.43,2947.57 2192.43,2895.86 2198.28,2890 2394.14,2890 2400,2884.14 U3.31@2400,2770 ; v1(2950,720) v1(3140,720) ; U8.13@3689.76,2666.02 3810.17,2666.02 3816.02,2660.17 3816.02,2596.02 v1(3813.98,2593.98) ; U4.4@3890,832.8 v1(3890,950) ; R268.1@4218.5,2000 4218.5,1955.86 4224.36,1950 4420,1950 v1(4470,1900) ; v1(4590,4370) 4594.76,4374.76 4828.91,4374.76 4834.76,4368.91 IC2.32@4834.76,4301.85 ; R181.1@4600,5081.5 TP35.6@4600,5260 ; v1(4770,4720) 4850,4800 v1(4850,5170) ; v1(5050,1930) 5540,1440 v1(5910,1440) ; IC3.32@5616.85,5110.24 5623.19,5110.24 5630,5117.05 v1(5630,5240) ; PC_6.7@6700,2300 7510,2300 7560,2350 7630,2350 7664.34,2315.66 7667.87,2315.66 7683.53,2300 PC_7.7@7700,2300 7705,2295 8265,2295 v1(8270,2290) 8500,2290 8560,2350 8650,2350 PC_8.7@8700,2300 ; PC_3.7@6700,3600 v1(7020,3600) 7480,3600 7530,3650 7630,3650 7664.34,3615.66 7667.87,3615.66 7683.53,3600 PC_4.7@7700,3600 v1(8310,3600) 8530,3600 8580,3650 8650,3650 PC_5.7@8700,3600 ; PC_0.7@6700,4900 v1(7020,4900) 7514.14,4900 7520,4905.86 7564.14,4950 7640.32,4950 7690.32,4900 PC_1.7@7700,4900 8500,4900 8550,4950 8660,4950 8700,4910 PC_2.7@8700,4900 ; PC_10.7@7700,1000 8530,1000 8580,1050 8650,1050 PC_11.7@8700,1000
  Bottom Layer w10: v1(1010,3470) 1005,3465 v1(1005,2890) ; v1(1120,2190) 1010.86,2190 1005,2195.86 ; v1(1570,1880) 1540,1850 1010.86,1850 1005,1855.86 1005,2195.86 ; v1(1750,940) 1844.14,940 1860,924.14 1860,855 2614.14,855 2620,849.14 2620,840.86 2625.86,835 2689.14,835 2700,824.14 2700,725.86 2705.86,720 v1(2950,720) ; v1(2190,2950) 2190,2865.86 2184.14,2860 1080,2860 1050,2890 v1(1005,2890) ; v1(3140,720) 3352.93,720 3442.93,810 3655.86,810 3795.86,950 v1(3890,950) 3882.35,957.65 3882.35,1189.92 3942.43,1250 4272.57,1250 4315,1292.43 4915.15,1292.43 4967.57,1240 5560,1240 5570,1230 5570,1190 5600,1160 5670,1160 5690,1180 5910,1180 ; v1(3813.98,2593.98) 3956.02,2593.98 4000,2550 4000,2010 4060,1950 4420,1950 v1(4470,1900) 4500,1930 v1(5050,1930) ; v1(4590,4370) 4630,4410 4630,4584.14 4635.86,4590 4764.14,4590 4770,4595.86 v1(4770,4720) ; TP35.6@4600,5260 4600,5195.86 4625.86,5170 v1(4850,5170) 5560,5170 v1@5624.14,5234.14 ; v1(5630,5240) v1@5624.14,5234.14 ; v1(5910,1440) 5910,1180 ; PC_0.7@6700,4900 6690,4900 6640,4950 5650,4950 5624.14,4975.86 v1@5624.14,5234.14 ; v1(7020,3600) v1(7020,4900) ; PC_10.7@7700,1000 7688.68,1000 7638.68,1050 7540,1050 7490,1000 PC_9.7@6700,1000 6650,1050 6550,1050 6420,1180 5910,1180 ; v1(8280,1000) 8275,1005 8275,2285 v1(8270,2290) 8270,2560 8310,2600 v1(8310,3600) ; 1005,2195.86 v1(1005,2890)
RWB_Inverted: LED38.1 U8.7 U8.15 | length 2339.3
  Top Layer w10: U8.7@3410.24,2691.61 3491.61,2691.61 v1(3520,2720) ; U8.15@3689.76,2717.2 3767.2,2717.2 v1(3770,2720) 3912.32,2720 3918.18,2725.86 3918.18,2801.82 4021.36,2905 4728.61,2905 4734.46,2910.86 4734.46,3010 4200,3010 4185,3025 LED38.1@4185,3168.5
  Bottom Layer w10: v1(3520,2720) v1(3770,2720)
System_Clock: P2.2 P8.1 R27.1 R192.1 TP37.6 | length 11166.3
  Top Layer w10: R192.1@95,1318.5 430,1318.5 ; v1(290,3830) 1900,3830 1930,3800 2601.72,3800 2640,3838.28 v1(2640,3840) ; v1(310,3120) 310.86,3119.14 310.86,2175.86 316.72,2170 408.79,2170 465,2113.79 465,1984.39 530,1919.39 530,1810 510,1790 510,1420 430,1340 430,1318.5 ; P2.2@570,1000 579.39,990.61 599.77,990.61 600.39,990 629.14,990 635,984.14 635,746.21 711.21,670 784.14,670 790,664.14 790,376.36 896.36,270 2170,270 2243.11,343.11 2243.11,944.14 2248.96,950 2589.14,950 2595,944.14 2595,854.57 2604.57,845 2854.14,845 2860,839.14 2860,530 P8.1@2650,530 ; R27.1@710,1348.5 708.5,1350 v1(590,1350) 558.5,1318.5 430,1318.5
  Bottom Layer w10: v1(290,3830) 340,3830 380,3790 380,3190 v1(310,3120) ; P2.2@570,1000 609.53,1039.53 609.53,1319.65 590,1339.18 v1(590,1350) ; v1(2640,3840) 2650,3840 2705,3895 2849.14,3895 2855,3889.14 2855,3350.86 2844.14,3340 TP37.6@2800,3340
TCK: R148.2 R149.1 U4.32 | length 3320.4
  Top Layer w10: v1(3330,1230) 3336.64,1236.64 3429.43,1236.64 U4.32@3432.79,1240 ; R149.1@4220,511.5 R148.2@4285,511.5 4285,555 v1(4260,580)
  Bottom Layer w10: v1(3330,1230) 2940,1230 2930,1220 2930,890.86 2935.86,885 3009.14,885 3020,874.14 3020,731.21 3106.21,645 3259.14,645 3265,639.14 3265,145 3270,140 3600,140 3735,275 3735,453.79 3751.21,470 4210,470 4260,520 v1(4260,580)
TDI: R141.2 R155.1 U4.7 | length 780.9
  Top Layer w10: R141.2@3740,511.5 R155.1@3800,511.5 3800,574.14 3805.86,580 3974.14,580 4040,645.86 4108.28,645.86 4114.14,651.72 4114.14,844.14 4108.28,850 4040,850 4040,882.8 U4.7@4047.2,890
TDO: R150.1 U4.38 | length 2711.8
  Top Layer w10: v1(3320,890) 3370,940 U4.38@3432.79,940 ; R150.1@4120,511.5 4120,564.14 4130,574.14 4167.78,574.14 v1(4171.82,578.18)
  Bottom Layer w10: v1(3320,890) 3320,845.86 3279.14,805 3165,805 3110,860 3040.86,860 3035,854.14 3035,737.43 3112.43,660 3274.14,660 3280,654.14 3280,160.86 3285.86,155 3593.79,155 3720,281.21 3720,460 3745,485 4135,485 4170,520 4170,576.36 v1(4171.82,578.18)
TMS: R147.2 R151.1 U4.13 | length 1432.7
  Top Layer w10: R147.2@3940,511.5 R151.1@4002.95,511.5 ; R151.1@4000,511.5 4000,570 4010,580 v1(4060,580) ; U4.13@4047.2,1190 4239.14,1190 4245,1184.14 4245,935.86 4250.86,930 4369.14,930 4375,924.14 4375,823.28 4369.14,817.42 4302.58,817.42 v1(4300,820)
  Bottom Layer w10: v1(4060,580) 4065,585 4065,634.14 4070.86,640 4304.14,640 4310,645.86 4310,794.14 4307.65,796.49 4307.65,812.35 v1(4300,820)
Z80_Clk: TP34.6 U11.11 | length 1061
  Top Layer w10: v1(3590,3880) 3619.76,3909.76 U11.11@3619.76,3984.84
  Bottom Layer w10: TP34.6@3150,3340 3204.14,3340 3210,3345.86 3210,3678.79 3215,3683.79 3215,3819.14 3230.86,3835 3555,3835 3590,3870 v1(3590,3880)
Z80_CS: J19.11 R258.2 R294.1 TP34.5 | length 8450.9
  Top Layer w10: TP34.5@3150,3440 v1(3300,3440) 3339.14,3440 3345,3445.86 3345,3735.36 3370,3760.36 v1(3370,3880) ; R258.2@5131.5,2220 5180,2220 v1(5190,2210) 5190,2060.86 5184.14,2055 5008.93,2055 4895,1941.07 4895,1309.79 4944.79,1260 5415.15,1260 5485,1190.15 5485,1036.21 5635,886.21 5635,225.86 5629.14,220 5235.86,220 5230,225.86 J19.11@5230,335
  Bottom Layer w10: R294.1@3140,4528.5 3148.5,4520 3220,4520 3220,4298.28 3086.72,4165 3001.21,4165 2913.11,4076.89 2913.11,3998.11 2945.61,3965.61 3054.39,3965.61 3110,3910 3340,3910 v1(3370,3880) ; v1(3300,3440) 3270,3410 3270,3187.57 3375,3082.57 3375,2985.86 3380.86,2980 3600,2980 3655,3035 4384.14,3035 4390,3029.14 4390,2380.86 4395.86,2375 5155,2375 5180,2350 5180,2235.86 5182.35,2233.51 5182.35,2217.65 v1(5190,2210)
Z80_D0: J19.2 R273.2 TP32.9 U10.2 | length 4321.1
  Top Layer w10: v1(3180,1900) 3180,1975.86 3204.14,2000 4020,2000 4200,1820 4620.24,1820 4700,1740.24 4700,1130.86 4684.14,1115 4608.85,1115 4560,1066.15 4560,680.86 4565.86,675 4724.14,675 4730,680.86 TP32.9@4730,800 R273.2@4730,938.5 ; v1(3230,2320) 3230.22,2319.78 3410.02,2319.78 U10.2@3410.24,2319.57
  Bottom Layer w10: v1(3180,1900) 3180,2109.24 3175,2114.24 3175,2305 3190,2320 v1(3230,2320) ; J19.2@4730,435 TP32.9@4730,800
Z80_D1: J19.4 R272.2 TP32.8 U10.4 | length 4321.4
  Top Layer w10: v1(3270,1890) 3270,1970 3280,1980 4013.64,1980 4188.64,1805 4614.03,1805 4685,1734.03 4685,1141.89 4673.11,1130 4602.63,1130 4555,1082.37 4545,1072.37 4545,674.64 4559.64,660 4824.14,660 4830,665.86 TP32.8@4830,800 R272.2@4830,938.5 ; v1(3310,2270) 3310.81,2269.19 3409.43,2269.19 U10.4@3410.24,2268.39
  Bottom Layer w10: v1(3270,1890) 3270,2070 3190,2150 3190,2264.14 3195.86,2270 v1(3310,2270) ; J19.4@4830,435 TP32.8@4830,800
Z80_D2: J19.6 R271.2 TP32.7 U10.6 | length 4229.3
  Top Layer w10: v1(3240,2220) 3241.4,2218.6 3408.84,2218.6 U10.6@3410.24,2217.2 ; v1(3350,1910) 3400,1960 4012.43,1960 4182.43,1790 4607.82,1790 4670,1727.82 4670,1156.89 4658.11,1145 4596.42,1145 4530,1078.58 4530,660.86 4545.86,645 4924.14,645 4930,650.86 TP32.7@4930,800 R271.2@4930,938.5
  Bottom Layer w10: v1(3240,2220) 3240,2141.21 3271.21,2110 3344.14,2110 3350,2104.14 v1(3350,1910) ; J19.6@4930,435 TP32.7@4930,800
Z80_D3: J19.8 R269.2 TP32.6 U10.8 | length 4264.3
  Top Layer w10: v1(3290,2160) 3293.01,2163.01 3407.22,2163.01 U10.8@3410.24,2166.02 ; v1(3410,1860) 3490,1940 4011.21,1940 4176.21,1775 4601.6,1775 4655,1721.6 4655,1171.89 4643.11,1160 4590.21,1160 4515,1084.79 4515,645.86 4530.86,630 5024.14,630 5030,635.86 TP32.6@5030,800 R269.2@5030,938.5
  Bottom Layer w10: v1(3290,2160) 3404.14,2160 3410,2154.14 v1(3410,1860) ; J19.8@5030,435 TP32.6@5030,800
Z80_D4: J19.10 R267.2 TP32.5 U10.11 | length 3837.1
  Top Layer w10: U10.11@3689.76,2114.84 3754.14,2114.84 3760,2108.98 v1(3760,2053.6) ; v1(3760,1860) 3760,1914.14 3770.86,1925 4005,1925 4170,1760 4595.39,1760 4640,1715.39 4640,1186.89 4628.11,1175 4583.99,1175 4500,1091.01 4500,630.86 4515.86,615 5124.14,615 5130,620.86 TP32.5@5130,800 R267.2@5130,938.5
  Bottom Layer w10: v1(3760,1860) v1(3760,2053.6) ; J19.10@5130,435 TP32.5@5130,800
Z80_D5: J19.12 R265.2 TP32.4 U10.13 | length 3967.7
  Top Layer w10: U10.13@3689.76,2166.02 3763.98,2166.02 3810,2120 v1(3830,2120) ; v1(3830,1860) 3830,1904.14 3835.86,1910 3998.79,1910 4163.79,1745 4589.18,1745 4625,1709.18 4625,1201.89 4613.11,1190 4577.78,1190 4485,1097.22 4485,615.86 4500.86,600 5224.14,600 5230,605.86 TP32.4@5230,800 R265.2@5230,938.5
  Bottom Layer w10: v1(3830,1860) v1(3830,2120) ; J19.12@5230,435 TP32.4@5230,800
Z80_D6: J19.14 R263.2 TP32.3 U10.15 | length 4208
  Top Layer w10: U10.15@3689.76,2217.2 3742.8,2217.2 3780,2180 v1(3880,2180) ; v1@3880,1800 3880,1835 3935,1890 3997.57,1890 4157.57,1730 4582.96,1730 4610,1702.96 4610,1216.89 4598.11,1205 4571.57,1205 4470,1103.43 4470,601.21 4486.21,585 5324.14,585 5330,590.86 TP32.3@5330,800 R263.2@5330,938.5
  Bottom Layer w10: v1@3880,1800 v1(3880,2180) ; J19.14@5330,435 TP32.3@5330,800
  other v1: 3875,1800
Z80_D7: J19.16 R262.2 TP32.2 U10.17 | length 4318.8
  Top Layer w10: U10.17@3689.76,2268.39 3691.38,2270 3764.14,2270 3770,2264.14 3770,2235.86 3775.86,2230 3934.14,2230 3940,2224.14 3940,2120 3939.14,2119.14 3939.14,2110.86 v1(3940,2110) ; v1(3940,1830) 3942.43,1832.43 3942.43,1864.14 3948.28,1870 3995,1870 4150,1715 4576.75,1715 4595,1696.75 4595,1231.89 4583.11,1220 4565.36,1220 4455,1109.64 4455,595 4480,570 5424.14,570 5430,575.86 TP32.2@5430,800 R262.2@5430,938.5
  Bottom Layer w10: v1@3940,1840 v1(3940,2110) ; J19.16@5430,435 TP32.2@5430,800
Z80_Extra: J19.5 R252.2 | length 4529.4
  Top Layer w10: R252.2@4870,2551.5 4871.5,2550 4899.14,2550 4905,2544.14 4905,2390.86 4920.86,2375 5293.28,2375 5299.14,2369.14 5299.14,2099.14 5210,2010 5027.57,2010 4940,1922.43 4940,1328.43 4963.43,1305 5433.79,1305 5530,1208.79 5530,1056.36 5680,906.36 5680,180.86 5674.14,175 4935.86,175 4930,180.86 J19.5@4930,335
Z80_Extra_1: J19.13 R260.2 | length 3053.2
  Top Layer w10: R260.2@5131.5,2160 5131.5,2077.35 5124.14,2070 5002.72,2070 4880,1947.28 4880,1303.58 4943.58,1240 5410,1240 5470,1180 5470,1030 5620,880 5620,245.86 5614.14,240 5335.86,240 5330,245.86 J19.13@5330,335
Z80_IRQ: J19.7 R254.2 | length 3916.4
  Top Layer w10: J19.7@5030,335 5020,325 5020,195.86 5025.86,190 5659.14,190 5665,195.86 5665,900.15 5515,1050.15 5515,1202.57 5427.57,1290 4957.22,1290 4925,1322.22 4925,1928.64 5021.36,2025 5203.79,2025 5280,2101.21 5280,2330.82 5273.17,2337.65 5133.84,2337.65 R254.2@5131.5,2340
Z80_IRQ_FROM: R290.1 TP34.2 | length 1406.3
  Bottom Layer w10: R290.1@2970,4528.5 2970,4445.86 2975.86,4440 3184.14,4440 3190,4434.14 3190,4315.78 3072.11,4197.89 2989.11,4197.89 2880,4088.79 2880,3986.46 2930.86,3935.61 3034.39,3935.61 3050,3920 3050,3745.86 3055.86,3740 TP34.2@3150,3740
Z80_IRQ_TO: R292.1 TP34.3 | length 1459.6
  Bottom Layer w10: R292.1@3055,4528.5 3055,4485 3060.86,4479.14 3069.14,4479.14 3070,4480 3199.14,4480 3205,4474.14 3205,4305 3080,4180 2995,4180 2895,4080 2895,3995 2939.39,3950.61 3048.18,3950.61 3103.79,3895 3168.2,3895 3200,3863.2 3200,3690 TP34.3@3150,3640
Z80_RW: J19.9 R256.2 TP34.4 U11.8 | length 7760
  Top Layer w10: TP34.4@3150,3540 v1(3300,3540) 3330,3570 3330,3934.14 3324.14,3940 3255.86,3940 3250,3945.86 3250,4036.02 U11.8@3340.24,4036.02 ; J19.9@5130,335 5120,325 5120,210.86 5125.86,205 5644.14,205 5650,210.86 5650,893.93 5500,1043.93 5500,1196.36 5421.36,1275 4951.01,1275 4910,1316.01 4910,1934.85 5015.15,2040 5197.57,2040 5230,2072.43 v1(5230,2290) 5141.5,2290 R256.2@5131.5,2280
  Bottom Layer w10: v1(3300,3540) 3310,3540 3360,3490 3360,3375.86 3354.14,3370 3290.86,3370 3285,3364.14 3285,3193.79 3390,3088.79 3390,3003.14 3397.1,2996.04 3594.82,2996.04 3648.79,3050 4404.14,3050 4410,3044.14 4410,2430 4450,2390 5220,2390 5230,2380 v1(5230,2290)
Z80_UPDI: P6.2 R248.2 | length 881.8
  Top Layer w10: R248.2@4750,2551.5 4760,2561.5 4760,2604.14 4765.86,2610 4940,2610 4940,2440 4975,2405 5070,2405 5070,2504.14 5075.86,2510 5234.14,2510 5240,2504.14 P6.2@5240,2450
pads on no net: B1.3 B1.11 H2.6 H2.7 H2.8 IC1.6 IC1.7 IC1.8 IC1.9 TP36.7 TP36.8 TP36.9

## Polygon pours and split planes (outlines as drawn)
GND on Plane(GND) (split plane): 8979.9,20.1 20.1,20.1 20.1,5979.9 8979.9,5979.9
+5 on Plane(Power) (split plane): 8979.9,20.1 20.1,20.1 20.1,5979.9 8979.9,5979.9

## Silkscreen, mask and mechanical layers (free items; w line width, h text height)
Top Overlay:
  text "ABS Data Systems, Inc, (c) Copyright 2025" at 6110,5839.99 h60
  text "A15" at 617,4960 h40 r90
  text "A14" at 702,4960 h40 r90
  text "A13" at 787,4960 h40 r90
  text "A12" at 872,4960 h40 r90
  text "A11" at 957,4960 h40 r90
  text "A10" at 1042,4960 h40 r90
  text "A9" at 1127,4960 h40 r90
  text "A8" at 1212,4960 h40 r90
  text "A7" at 1297,4960 h40 r90
  text "A6" at 1382,4960 h40 r90
  text "A5" at 1467,4960 h40 r90
  text "A4" at 1552,4960 h40 r90
  text "A3" at 1637,4960 h40 r90
  text "A2" at 1722,4960 h40 r90
  text "A1" at 1807,4960 h40 r90
  text "A0" at 1892,4960 h40 r90
  text "D7" at 2064,4960 h40 r90
  text "D6" at 2154,4960 h40 r90
  text "D5" at 2234,4960 h40 r90
  text "D4" at 2324,4960 h40 r90
  text "D3" at 2404,4960 h40 r90
  text "D2" at 2484,4960 h40 r90
  text "D1" at 2574,4960 h40 r90
  text "D0" at 2654,4960 h40 r90
  text "Int_CS" at 2815,4960 h30 r90
  text "IRQBZ80" at 2905,4960 h30 r90
  text "Z80IRQIn" at 2990,4960 h30 r90
  text "Z80IRQOt" at 3075,4960 h30 r90
  text "Z80CS" at 3160,4960 h30 r90
  text "PSCCS" at 3245,4960 h30 r90
  text "PCZ80" at 3330,4960 h30 r90
  text "PCZ80Clk" at 3415,4960 h30 r90
  text "Z80Clk" at 3500,4960 h30 r90
  text "Z80RW" at 3585,4960 h30 r90
  text "PGM_RRCS" at 3665,4960 h30 r90
  text "PGM_RR" at 3750,4960 h30 r90
  text "PGMMode" at 3840,4960 h30 r90
  text "nReset" at 3925,4960 h30 r90
  text "IRQB" at 4010,4960 h30 r90
  text "Page3" at 3776.67,3410 h40 r90
  text "Page2" at 3861.67,3410 h40 r90
  text "Page1" at 3946.67,3410 h40 r90
  text "Page0" at 4031.67,3410 h40 r90
  text "BE" at 4130,3410 h40 r90
  text "Read" at 4215,3410 h40 r90
  text "Write" at 4300,3410 h40 r90
  text "ZD7" at 4385,3410 h40 r90
  text "ZD6" at 4470,3410 h40 r90
  text "ZD5" at 4555,3410 h40 r90
  text "ZD4" at 4640,3410 h40 r90
  text "ZD3" at 4725,3410 h40 r90
  text "ZD2" at 4810,3410 h40 r90
  text "ZD1" at 4895,3410 h40 r90
  text "ZD0" at 4980,3410 h40 r90
  text "Gnd" at 480,2300 h30
  text "+5" at 470,2050 h30
  text "EXT CLK" at 180,1290 h40
  text "Clk SRC" at 680,870 h40 r90
  text "CPLD CLK" at 2780,490 h40 r90
  text "CLK Speed" at 666.67,420 h40 r90
  text "6502 CPU Board Version 1.2" at 6710,210 h60
Mechanical 1:
  lines w10: 0,0 0,6000 9000,6000 9000,0 ; 0,0 3000,0 0,0 ; 0,0 9000,0 ; 0,0 9000,0
Mechanical 13:
  the board outline again, w10

## Text inside footprints (layer, text, board x,y; h text height)
J2: Top Overlay "2" at 5270,5700 h40; Top Overlay "1" at 5270,5810 h40